# Altium PCB CryptUS_RevB_ASM.PcbDoc (part 1 of 3) (continued)
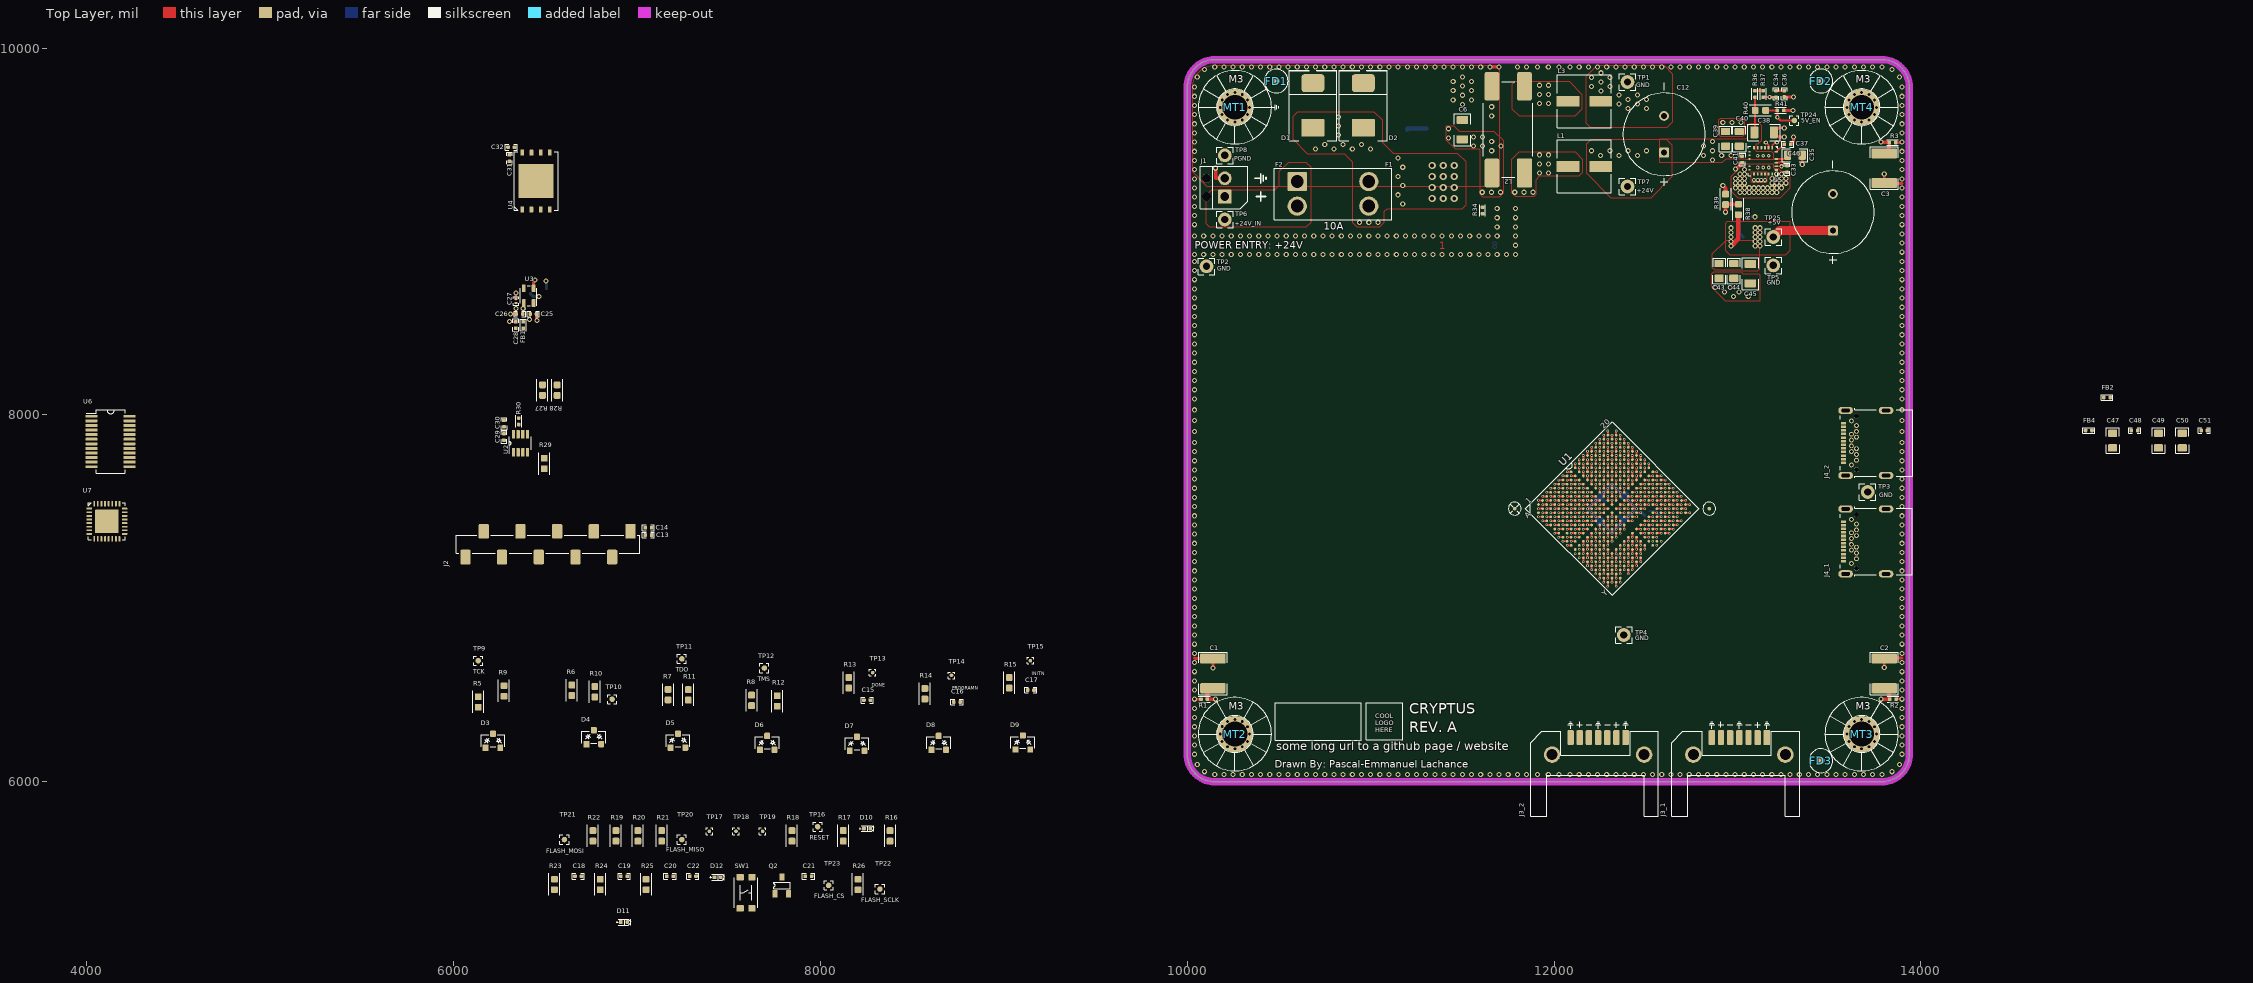
[diagram p0: Top Layer view]
## Design rules (kind name [scope] priority, off if disabled: settings)
AcuteAngle [All] p0: scope1count=1 scope1_0_kind=Board scope1_0_value=Board scope2count=1 scope2_0_kind=Board scope2_0_value=Board commentlength=0 minimum=4.50000000000000E+0001
AcuteAngle [All] p1: minimum=4.50000000000000E+0001 checktracksonly=FALSE
AssemblyTestPointUsage [All] p0 off: scope1count=1 scope1_0_kind=Board scope1_0_value=Board scope2count=1 scope2_0_kind=Board scope2_0_value=Board commentlength=0
AssemblyTestPointUsage [All] p1 off:
AssemblyTestpoint [All] p0 off: scope1count=1 scope1_0_kind=Board scope1_0_value=Board scope2count=1 scope2_0_kind=Board scope2_0_value=Board commentlength=0
AssemblyTestpoint [All] p1 off: testpointundercomponent=TRUE minsize=40 maxsize=100 preferedsize=60 minholesize=0 maxholesize=40 preferedholesize=32 testpointgrid=1 usegrid=TRUE gridtolerance=0.01 allowsidetop=TRUE allowsidebottom=TRUE
BoardOutlineClearance [All] p0: scope1count=1 scope1_0_kind=Board scope1_0_value=Board scope2count=1 scope2_0_kind=Board scope2_0_value=Board commentlength=0 gap=20
BoardOutlineClearance [All] p1: gap=20 ignorepadtopadclearanceinfootprint=FALSE
Clearance CLEARANCE_INNER_PGND [All] p0: scope1count=1 scope1_0_kind=Net scope1_0_value=PGND scope2count=1 scope2_0_kind=Board scope2_0_value=Board commentlength=0 gap=30
Clearance CLEARANCE [All] p0: scope1count=1 scope1_0_kind=Board scope1_0_value=Board scope2count=1 scope2_0_kind=Board scope2_0_value=Board commentlength=69 gap=6 // 1/2oz so smaller via-to-track and track-to-copper clearances allowed
Clearance CLEARANCE_INNER_PGND [InNet('PGND')] p1: gap=30 ignorepadtopadclearanceinfootprint=FALSE except(0: Arc-Text Arc-Hole Track-Text Track-Hole SMDPad-Text SMDPad-Hole THPad-Text THPad-Hole Via-Text Via-Hole Fill-Text Fill-Hole Poly-Text Poly-Hole Region-Text Region-Hole Text-Text Text-Hole; 5: Arc-Arc Arc-Track Arc-SMDPad Track-Track Track-SMDPad SMDPad-SMDPad; 7: Arc-Via Track-Via SMDPad-Via Via-Via; 8: Arc-THPad Track-THPad SMDPad-THPad; 10: THPad-THPad THPad-Via)
Clearance CLEARANCE [All] p2: gap=6 ignorepadtopadclearanceinfootprint=FALSE except(0: Arc-Text Arc-Hole Track-Text Track-Hole SMDPad-Text SMDPad-Hole THPad-Text THPad-Hole Via-Text Via-Hole Fill-Text Fill-Hole Poly-Text Poly-Hole Region-Text Region-Hole Text-Text Text-Hole; 5: Arc-Arc Arc-Track Arc-SMDPad Arc-Via Track-Track Track-SMDPad Track-Via SMDPad-SMDPad; 8: Arc-THPad Track-THPad SMDPad-THPad; 10: THPad-THPad THPad-Via) // 1/2oz so smaller via-to-track and track-to-copper clearances allowed
ComponentClearance "Schematic Component Clearance Constraint" [All] p0: scope1count=1 scope1_0_kind=Component scope1_0_value=F1 scope2count=1 scope2_0_kind=Board scope2_0_value=Board commentlength=0 gap=-1 collisioncheckmode=3
ComponentClearance ComponentClearance_TESTPOINT [All] p0 off: scope1count=1 scope1_0_kind=Board scope1_0_value=Board scope2count=1 scope2_0_kind=Board scope2_0_value=Board commentlength=151 gap=1 collisioncheckmode=3 // Protel DXP Scope 1 Expression Was: HasFootprint('TP_HOLE') OR HasFootprint('TP_PAD') OR HasFootPrint('TP_PAD_SMALL') OR HasFootprint('TP_PAD_TINY')
ComponentClearance ComponentClearance_DESIGNATOR [All] p0 off: scope1count=1 scope1_0_kind=Board scope1_0_value=Board scope2count=1 scope2_0_kind=Board scope2_0_value=Board commentlength=96 gap=0 collisioncheckmode=3 // Protel DXP Scope 1 Expression Was: OnLayer('Top Designator') or OnLayer('Bottom Designator')
ComponentClearance ComponentClearance_FIDUCIALS [All] p0: scope1count=1 scope1_0_kind=Footprint scope1_0_value=FIDUCIAL scope2count=1 scope2_0_kind=Board scope2_0_value=Board commentlength=0 gap=0 collisioncheckmode=3
ComponentClearance [All] p0: scope1count=1 scope1_0_kind=Board scope1_0_value=Board scope2count=1 scope2_0_kind=Board scope2_0_value=Board commentlength=0 gap=10 collisioncheckmode=3
ComponentClearance "Schematic Component Clearance Constraint" [InComponent('F1')] p1: gap=-1 collisioncheckmode=3 verticalgap=10 showdistances=FALSE
ComponentClearance ComponentClearance_DESIGNATOR [OnLayer('Top Designator') or OnLayer('Bottom Designator')] p2: gap=0 collisioncheckmode=3 verticalgap=0 showdistances=FALSE
ComponentClearance ComponentClearance_FIDUCIALS [HasFootprint('FIDUCIAL')] p3: gap=0 collisioncheckmode=3 verticalgap=0 showdistances=FALSE
ComponentClearance ComponentClearance_TESTPOINT [HasFootprint('TP_HOLE') OR HasFootprint('TP_PAD') OR HasFootPrint('TP_PAD_SMALL') OR HasFootprint('TP_PAD_TINY')] p4: gap=1 collisioncheckmode=3 verticalgap=0 showdistances=FALSE donotcheckwithout3dbody=TRUE
ComponentClearance [All] p5: gap=10 collisioncheckmode=3 verticalgap=10 showdistances=FALSE
DiffPairsRouting DiffPairsRouting_DDR_CLK [All] p0 off: scope1count=1 scope1_0_kind=Board scope1_0_value=Board scope2count=1 scope2_0_kind=Board scope2_0_value=Board commentlength=69 // Protel DXP Scope 1 Expression Was: InDifferentialPair('MEM0_CLK')
DiffPairsRouting [All] p0: scope1count=1 scope1_0_kind=Board scope1_0_value=Board scope2count=1 scope2_0_kind=Board scope2_0_value=Board commentlength=0
DiffPairsRouting DiffPairsRouting_DDR_CLK [InDifferentialPair('MEM0_CLK')] p1: maxlimit=12 minlimit=8 mostfreqgap=8 toplayer_minwidth=8 toplayer_maxwidth=10 toplayer_prefwidth=9 midlayer1_minwidth=8 midlayer1_maxwidth=10 midlayer1_prefwidth=9 midlayer2_minwidth=8 midlayer2_maxwidth=10 midlayer2_prefwidth=9 midlayer3_minwidth=8 midlayer3_maxwidth=10 midlayer3_prefwidth=9 midlayer4_minwidth=8 midlayer4_maxwidth=10 midlayer4_prefwidth=9 midlayer5_minwidth=8 midlayer5_maxwidth=10 midlayer5_prefwidth=9 midlayer6_minwidth=8 midlayer6_maxwidth=10 midlayer6_prefwidth=9 bottomlayer_minwidth=8 bottomlayer_maxwidth=10 bottomlayer_prefwidth=9 maxuncoupledlength=15
DiffPairsRouting [All] p2: maxlimit=10 minlimit=10 mostfreqgap=10 toplayer_minwidth=15 toplayer_maxwidth=15 toplayer_prefwidth=15 midlayer1_minwidth=15 midlayer1_maxwidth=15 midlayer1_prefwidth=15 midlayer2_minwidth=15 midlayer2_maxwidth=15 midlayer2_prefwidth=15 midlayer3_minwidth=15 midlayer3_maxwidth=15 midlayer3_prefwidth=15 midlayer4_minwidth=15 midlayer4_maxwidth=15 midlayer4_prefwidth=15 midlayer5_minwidth=15 midlayer5_maxwidth=15 midlayer5_prefwidth=15 midlayer6_minwidth=15 midlayer6_maxwidth=15 midlayer6_prefwidth=15 bottomlayer_minwidth=15 bottomlayer_maxwidth=15 bottomlayer_prefwidth=15 maxuncoupledlength=500
FabricationTestPointUsage [All] p0 off: scope1count=1 scope1_0_kind=Board scope1_0_value=Board scope2count=1 scope2_0_kind=Board scope2_0_value=Board commentlength=0 valid=0 allowmultiple=FALSE
FabricationTestPointUsage [All] p1 off: valid=0 allowmultiple=FALSE
FabricationTestpoint [All] p0 off: scope1count=1 scope1_0_kind=Board scope1_0_value=Board scope2count=1 scope2_0_kind=Board scope2_0_value=Board commentlength=0 side=3 testpointundercomponent=TRUE minsize=40 maxsize=100 preferedsize=60 minholesize=0 maxholesize=40 preferedholesize=32 testpointgrid=1
FabricationTestpoint [All] p1 off: side=3 testpointundercomponent=TRUE minsize=40 maxsize=100 preferedsize=60 minholesize=0 maxholesize=40 preferedholesize=32 testpointgrid=1 allowsidetop=TRUE allowsidebottom=TRUE usegrid=TRUE gridtolerance=0.01
FanoutControl Fanout_BGA [All] p0 off: scope1count=1 scope1_0_kind=Board scope1_0_value=Board scope2count=1 scope2_0_kind=Board scope2_0_value=Board commentlength=69 // Protel DXP Scope 1 Expression Was: IsBGA   Fanout_BGA (Default Rule)
FanoutControl Fanout_LCC [All] p0 off: scope1count=1 scope1_0_kind=Board scope1_0_value=Board scope2count=1 scope2_0_kind=Board scope2_0_value=Board commentlength=69 // Protel DXP Scope 1 Expression Was: IsLCC   Fanout_LCC (Default Rule)
FanoutControl Fanout_SOIC [All] p0 off: scope1count=1 scope1_0_kind=Board scope1_0_value=Board scope2count=1 scope2_0_kind=Board scope2_0_value=Board commentlength=71 // Protel DXP Scope 1 Expression Was: IsSOIC   Fanout_SOIC (Default Rule)
FanoutControl Fanout_Small [All] p0 off: scope1count=1 scope1_0_kind=Board scope1_0_value=Board scope2count=1 scope2_0_kind=Board scope2_0_value=Board commentlength=84 // Protel DXP Scope 1 Expression Was: (CompPinCount < 5)   Fanout_Small (Default Rule)
FanoutControl Fanout_Default [All] p0: scope1count=1 scope1_0_kind=Board scope1_0_value=Board scope2count=1 scope2_0_kind=Board scope2_0_value=Board commentlength=30 // Fanout_Default (Default Rule)
Height [All] p0: scope1count=1 scope1_0_kind=Board scope1_0_value=Board scope2count=1 scope2_0_kind=Board scope2_0_value=Board commentlength=0
HoleSize [All] p0: scope1count=1 scope1_0_kind=Board scope1_0_value=Board scope2count=1 scope2_0_kind=Board scope2_0_value=Board commentlength=0 absolutevalues=TRUE maxlimit=1000 minlimit=8 maxpercent=80.000 minpercent=20.000
HoleSize [All] p1: absolutevalues=TRUE maxlimit=1000 minlimit=8 maxpercent=80.000 minpercent=20.000
HoleToHoleClearance HoleToHoleClearance_SCREW_HOLE [All] p0 off: scope1count=1 scope1_0_kind=Board scope1_0_value=Board scope2count=1 scope2_0_kind=Board scope2_0_value=Board commentlength=193 // Protel DXP Scope 2 Expression Was: HasFootprint('MTH_M2') or HasFootprint('MTH_M2.5') or HasFootprint('MTH_M3') or HasFootprint('MTH_M4') or HasFootprint('MTH_M5') or HasFootprint('MTH_M6')
HoleToHoleClearance [All] p0: scope1count=1 scope1_0_kind=Board scope1_0_value=Board scope2count=1 scope2_0_kind=Board scope2_0_value=Board commentlength=0
HoleToHoleClearance HoleToHoleClearance_SCREW_HOLE [All vs HasFootprint('MTH_M2') or HasFootprint('MTH_M2.5') or HasFootprint('MTH_M3') or HasFootprint('MTH_M4') or HasFootprint('MTH_M5') or HasFootprint('MTH_M6')] p1: gap=4 allowstackedmicrovias=FALSE
HoleToHoleClearance [All] p2: gap=10 allowstackedmicrovias=FALSE
LayerPairs [All] p0: scope1count=1 scope1_0_kind=Board scope1_0_value=Board scope2count=1 scope2_0_kind=Board scope2_0_value=Board commentlength=0 enforce=TRUE
MinimumAnnularRing MinimumAnnularRing_SCREW_HOLE [All] p0 off: scope1count=1 scope1_0_kind=Board scope1_0_value=Board scope2count=1 scope2_0_kind=Board scope2_0_value=Board commentlength=193 minimumring=0 // Protel DXP Scope 1 Expression Was: HasFootprint('MTH_M2') or HasFootprint('MTH_M2.5') or HasFootprint('MTH_M3') or HasFootprint('MTH_M4') or HasFootprint('MTH_M5') or HasFootprint('MTH_M6')
MinimumAnnularRing [All] p0: scope1count=1 scope1_0_kind=Board scope1_0_value=Board scope2count=1 scope2_0_kind=Board scope2_0_value=Board commentlength=0 minimumring=4
MinimumAnnularRing MinimumAnnularRing_SCREW_HOLE [HasFootprint('MTH_M2') or HasFootprint('MTH_M2.5') or HasFootprint('MTH_M3') or HasFootprint('MTH_M4') or HasFootprint('MTH_M5') or HasFootprint('MTH_M6')] p1: minimumring=0
MinimumAnnularRing [All] p2: minimumring=4
MinimumSolderMaskSliver [All] p0 off: scope1count=1 scope1_0_kind=Board scope1_0_value=Board scope2count=1 scope2_0_kind=Board scope2_0_value=Board commentlength=67 // Protel DXP Scope 2 Expression Was: Not HasFootprint('FIDUCIAL')
MinimumSolderMaskSliver [All vs Not HasFootprint('FIDUCIAL')] p1: minsoldermaskwidth=4
NetAntennae [All] p0 off: scope1count=1 scope1_0_kind=Board scope1_0_value=Board scope2count=1 scope2_0_kind=Board scope2_0_value=Board commentlength=199 // Protel DXP Scope 1 Expression Was: Not (HasFootprint('MTH_M2') or HasFootprint('MTH_M2.5') or HasFootprint('MTH_M3') or HasFootprint('MTH_M4') or HasFootprint('MTH_M5') or HasFootprint('MTH_M6'))
NetAntennae [Not (HasFootprint('MTH_M2') or HasFootprint('MTH_M2.5') or HasFootprint('MTH_M3') or HasFootprint('MTH_M4') or HasFootprint('MTH_M5') or HasFootprint('MTH_M6'))] p1: netantennaetolerance=1
PasteMaskExpansion [All] p0: scope1count=1 scope1_0_kind=Board scope1_0_value=Board scope2count=1 scope2_0_kind=Board scope2_0_value=Board commentlength=0 expansion=-1
PasteMaskExpansion [All] p1: expansion=-1
PermittedLayers [All] p0: scope1count=1 scope1_0_kind=Board scope1_0_value=Board scope2count=1 scope2_0_kind=Board scope2_0_value=Board commentlength=0 toplayerpermitted=TRUE bottomlayerpermitted=TRUE
PermittedLayers [All] p1: toplayerpermitted=TRUE bottomlayerpermitted=TRUE
PlaneClearance PGND_Clearance [All] p0: scope1count=1 scope1_0_kind=Net scope1_0_value=PGND scope2count=1 scope2_0_kind=Board scope2_0_value=Board commentlength=0 clearance=20
PlaneClearance [All] p0: scope1count=1 scope1_0_kind=Board scope1_0_value=Board scope2count=1 scope2_0_kind=Board scope2_0_value=Board commentlength=0 clearance=8
PlaneClearance PGND_Clearance [InNet('PGND')] p1: clearance=20
PlaneClearance [All] p2: clearance=8
PlaneConnect [All] p0: scope1count=1 scope1_0_kind=Board scope1_0_value=Board scope2count=1 scope2_0_kind=Board scope2_0_value=Board commentlength=0 planeconnectstyle=Direct reliefexpansion=20 reliefentries=4 reliefconductorwidth=10 reliefairgap=10
PlaneConnect [All] p1: planeconnectstyle=Direct reliefexpansion=20 reliefentries=4 reliefconductorwidth=10 reliefairgap=10
PolygonConnect POLY_CONNECT_5V_REG [All] p0 off: scope1count=1 scope1_0_kind=Board scope1_0_value=Board scope2count=1 scope2_0_kind=Board scope2_0_value=Board commentlength=136 connectstyle=Direct reliefconductorwidth=10 reliefentries=4 polygonreliefangle="90 Angle" // Protel DXP Scope 1 Expression Was: HasFootprint('AOZ2255LQI-31') or HasFootprint('AOZ2255EQI-30') or HasFootprint('B82559B0203A016')
PolygonConnect [All] p0: scope1count=1 scope1_0_kind=Board scope1_0_value=Board scope2count=1 scope2_0_kind=Board scope2_0_value=Board commentlength=0 connectstyle=Relief reliefconductorwidth=20 reliefentries=4 polygonreliefangle="90 Angle"
PolygonConnect POLY_CONNECT_5V_REG [HasFootprint('AOZ2255LQI-31') or HasFootprint('AOZ2255EQI-30') or HasFootprint('B82559B0203A016')] p1: connectstyle=Direct reliefconductorwidth=10 reliefentries=4 polygonreliefangle="90 Angle" airgapwidth=10
PolygonConnect [All] p2: thpad.connectstyle=Relief thpad.reliefconductorwidth=20 thpad.reliefentries=4 thpad.polygonreliefangle="90 Angle" thpad.airgapwidth=8 smdpad.connectstyle=Relief smdpad.reliefconductorwidth=20 smdpad.reliefentries=4 smdpad.polygonreliefangle="90 Angle" smdpad.airgapwidth=8 via.connectstyle=Direct via.reliefconductorwidth=8 via.reliefentries=4 via.polygonreliefangle="45 Angle" via.airgapwidth=8
ReturnPath [All] p0 off: scope1count=1 scope1_0_kind=Board scope1_0_value=Board scope2count=1 scope2_0_kind=Board scope2_0_value=Board commentlength=0
ReturnPath [All] p1 off: impedanceprofileid={22DA1543-672B-41A9-8F25-E75B8C9470C8} _gaplimit=20
RoutingCorners [All] p0: scope1count=1 scope1_0_kind=Board scope1_0_value=Board scope2count=1 scope2_0_kind=Board scope2_0_value=Board commentlength=0 cornerstyle=45-Degree minsetback=30 maxsetback=30
RoutingCorners [All] p1: cornerstyle=45-Degree minsetback=30 maxsetback=30
RoutingLayers [All] p0: scope1count=1 scope1_0_kind=Board scope1_0_value=Board scope2count=1 scope2_0_kind=Board scope2_0_value=Board commentlength=0 top layer=Horizontal mid layer 1="Not Used" mid layer 2="Not Used" mid layer 3="Not Used" mid layer 4="Not Used" mid layer 5="Not Used" mid layer 6="Not Used" bottom layer=Vertical
RoutingPriority [All] p0: scope1count=1 scope1_0_kind=Board scope1_0_value=Board scope2count=1 scope2_0_kind=Board scope2_0_value=Board commentlength=0
RoutingTopology [All] p0: scope1count=1 scope1_0_kind=Board scope1_0_value=Board scope2count=1 scope2_0_kind=Board scope2_0_value=Board commentlength=0 topology=Shortest
RoutingVias [All] p0: scope1count=1 scope1_0_kind=Board scope1_0_value=Board scope2count=1 scope2_0_kind=Board scope2_0_value=Board commentlength=0 holewidth=10 width=20 viastyle="Through Hole" minholewidth=8 minwidth=18 maxholewidth=100 maxwidth=100
RoutingVias [All] p1: holewidth=10 width=20 viastyle="Through Hole" minholewidth=8 minwidth=18 maxholewidth=100 maxwidth=100
SMDEntry [All] p0: scope1count=1 scope1_0_kind=Board scope1_0_value=Board scope2count=1 scope2_0_kind=Board scope2_0_value=Board commentlength=0
SMDEntry [All] p1: side=TRUE corner=TRUE anyangle=TRUE
ShortCircuit [All] p0: scope1count=1 scope1_0_kind=Board scope1_0_value=Board scope2count=1 scope2_0_kind=Board scope2_0_value=Board commentlength=0 allowed=FALSE
SilkToBoardRegionClearance [All] p0: scope1count=1 scope1_0_kind=Board scope1_0_value=Board scope2count=1 scope2_0_kind=Board scope2_0_value=Board commentlength=0
SilkToSilkClearance [All] p0: scope1count=1 scope1_0_kind=Board scope1_0_value=Board scope2count=1 scope2_0_kind=Board scope2_0_value=Board commentlength=0
SilkToSilkClearance [All] p1: silktosilkclearance=-1
SilkToSolderMaskClearance [All] p0 off: scope1count=1 scope1_0_kind=Board scope1_0_value=Board scope2count=1 scope2_0_kind=Board scope2_0_value=Board commentlength=44 // Protel DXP Scope 1 Expression Was: IsPad
SilkToSolderMaskClearance [IsPad] p1: minsilkscreentomaskgap=-1 clearancetoexposedcopper=TRUE
SolderMaskExpansion [All] p0: scope1count=1 scope1_0_kind=Board scope1_0_value=Board scope2count=1 scope2_0_kind=Board scope2_0_value=Board commentlength=0 expansion=4
SolderMaskExpansion [All] p1: expansion=4 istentingtop=FALSE
UnRoutedNet [All] p0: scope1count=1 scope1_0_kind=Board scope1_0_value=Board scope2count=1 scope2_0_kind=Board scope2_0_value=Board commentlength=0
UnRoutedNet [All] p1: checkbadconnections=TRUE
UnpouredPolygon [All] p0: scope1count=1 scope1_0_kind=Board scope1_0_value=Board scope2count=1 scope2_0_kind=Board scope2_0_value=Board commentlength=0
ViasUnderSMD [All] p0: scope1count=1 scope1_0_kind=Board scope1_0_value=Board scope2count=1 scope2_0_kind=Board scope2_0_value=Board commentlength=0 allowed=TRUE
ViasUnderSMD [All] p1: allowed=TRUE
Width [All] p0: scope1count=1 scope1_0_kind=Board scope1_0_value=Board scope2count=1 scope2_0_kind=Board scope2_0_value=Board commentlength=0 maxlimit=999 minlimit=5 preferedwidth=8
Width [All] p1: maxlimit=999 minlimit=5 preferedwidth=8
13 further rules are at their usual default settings.

## Classes and differential pairs
component class USB2: J4_2
component class USB1: J4_1
component class SATA2: J3_2
component class SATA1: J3_1
component class "FPGA POWER INPUTS": C47 C48 C49 C50 C51 C54 C55 C56 C57 C58 C59 C60 C61 C62 C63 C64 C65 C66 C67 C68 C69 C70 C71 C72 C73 C74 C75 C76 C77 C78 C79 C80 C81 C82 C83 C84 C85 FB2 FB4
component class TELEMTRY: U6
component class "QUANTUM FUCKERY": U7
net class JTAG: DONE_9 INITN_9 PROGRAMN_9 TCK_9 TDI_9 TDO_9 TMS_9
component class "JTAG, OSCILLATOR, FLASH & WATCHDOG": C13 C14 C15 C16 C17 C18 C19 C20 C21 C22 C23 C24 C25 C26 C27 C28 C29 C30 C31 C32 D3 D4 D5 D6 D7 D8 D9 D10 D11 D12 FB1 J2 Q2 R5 R6 R7 R8 R9 R10 R11 R12 R13 R14 R15 R16 R17 R18 R19 R20 R21 R22 R23 R24 R25 R26 R27 R28 R29 R30 R31 R32 R33 SW1 TP9 TP10 TP11 TP12 TP13 TP14 TP15 TP16 TP17 TP18 TP19 TP20 TP21 TP22 TP23 U2 U3 U4
component class "FPGA IO BANKS": U1
component class "POWER IN": C4 C5 C6 C7 C8 C9 C10 C11 C12 C33 C34 C35 C36 C37 C38 C39 C40 C41 C42 C43 C44 C45 C46 D1 D2 F1 F2 J1 L1 L2 L3 L4 Q1 R4 R34 R35 R36 R37 R38 R39 R40 R41 TP6 TP7 TP8 TP24 TP25 U5
channel class USB: USB1 USB2
channel class SATA: SATA1 SATA2
component class MECHANICAL: C1 C2 C3 FD1 FD2 FD3 FD4 FD5 FD6 MT1 MT2 MT3 MT4 R1 R2 R3 TP1 TP2 TP3 TP4 TP5
